# Altium PCB 机器人.PcbDoc (part 6 of 14) (continued)
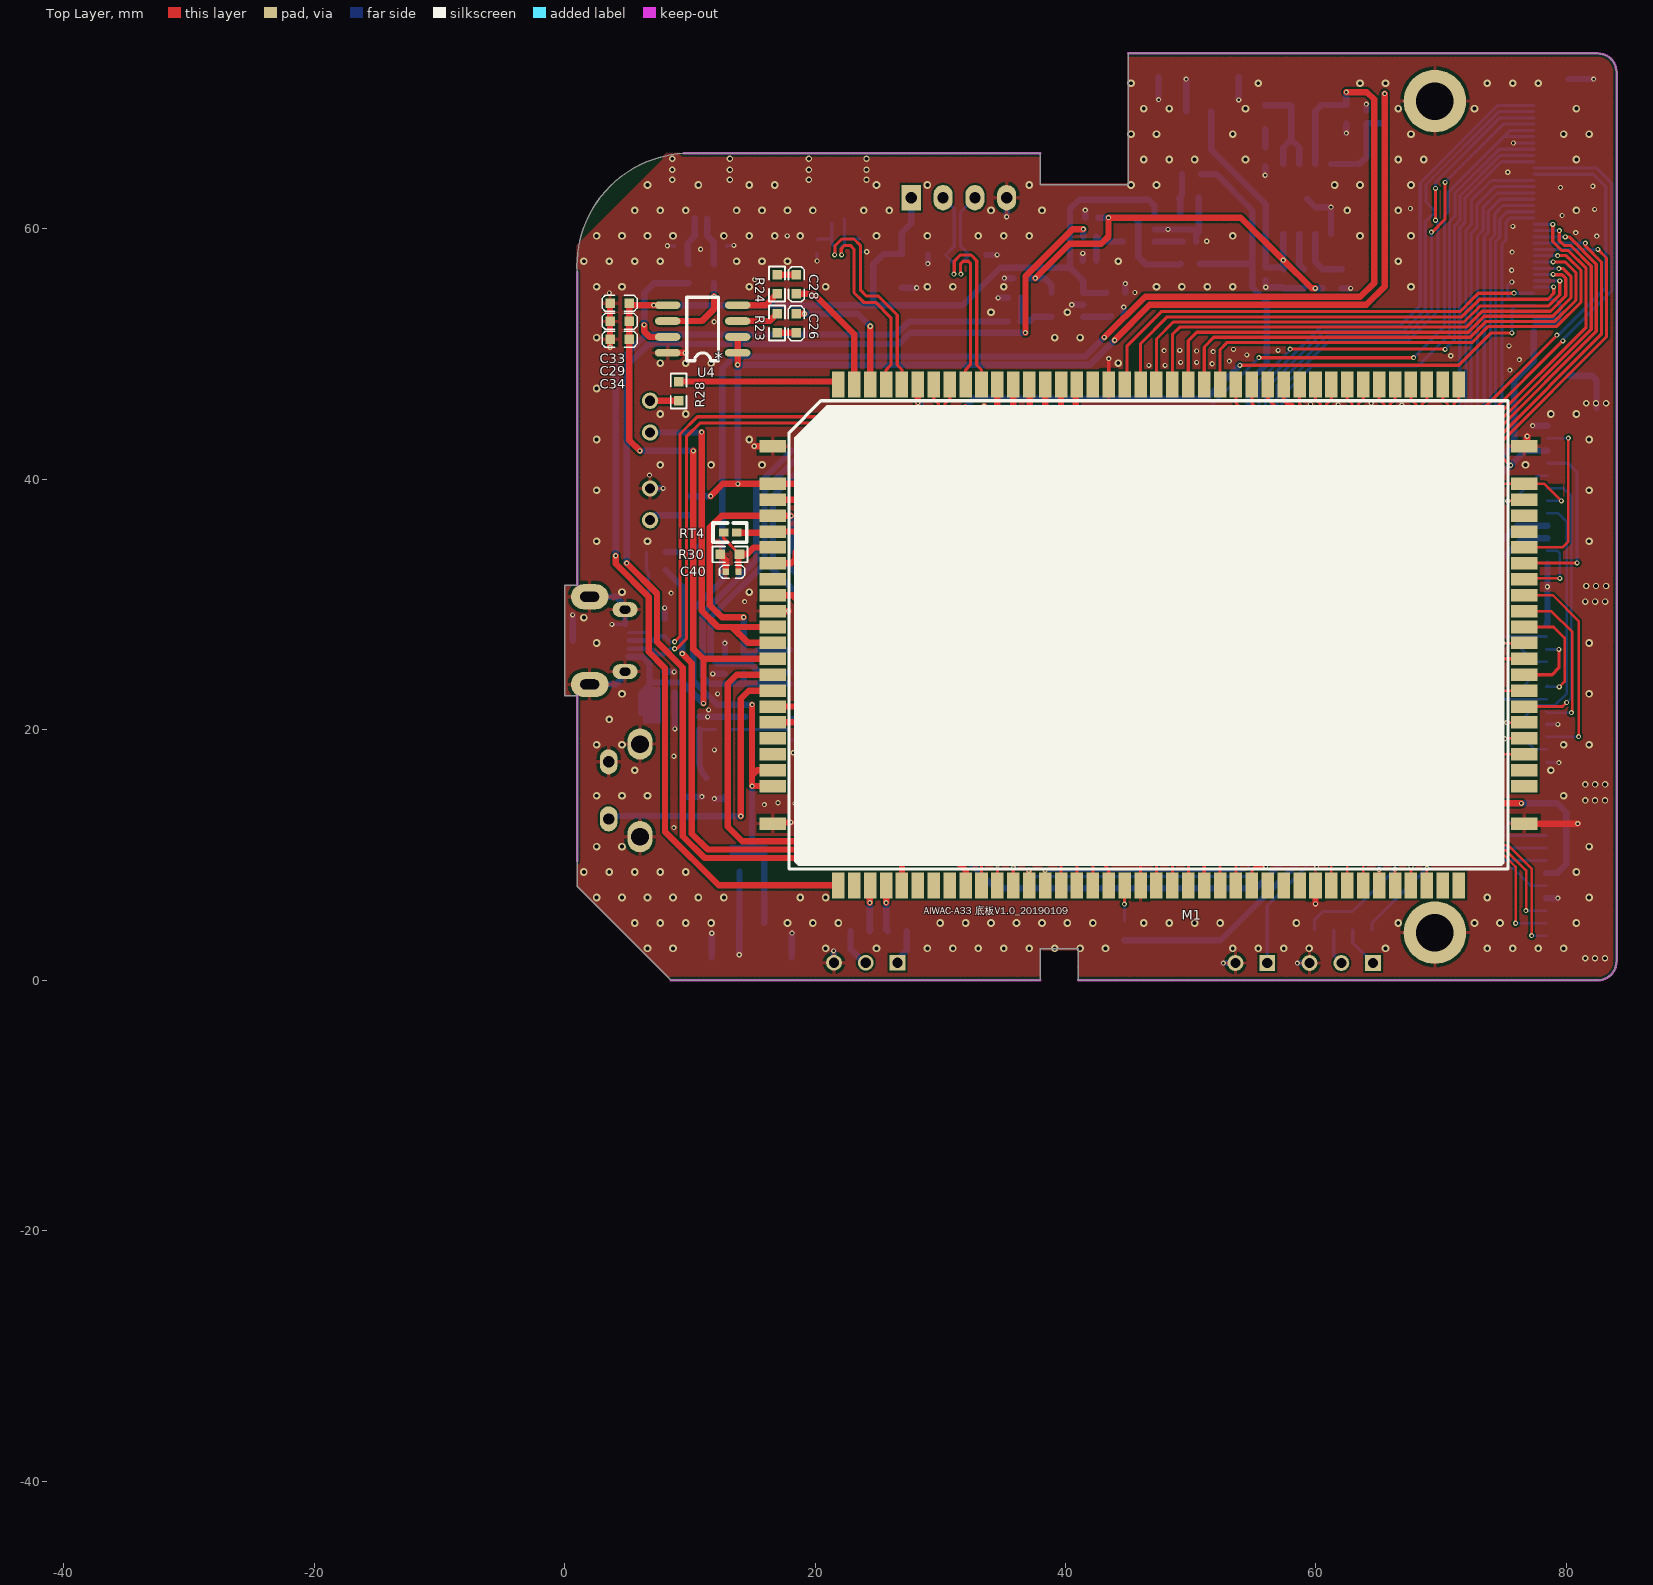
[diagram p0: Top Layer view]
## Free pads (board coordinates) (continued)
1(-39.036,-44.127) 1(-39.036,-44.127) 1(-39.036,-44.127) 1(-39.036,-44.127) 1(-39.036,-44.126) 1(-39.036,-44.126) 1(-39.036,-44.126) 1(-39.036,-44.126) 1(-39.036,-44.126) 1(-39.036,-44.126) 1(-39.036,-44.145) 1(-39.036,-44.145) 1(-39.036,-44.145) 1(-39.036,-44.145) 1(-39.036,-44.145) 1(-39.036,-44.145) 1(-39.036,-44.097) 1(-39.036,-44.097) 1(-39.036,-44.097) 1(-39.036,-44.097) 1(-39.036,-44.097) 1(-39.036,-44.097) 1(-39.036,-44.096) 1(-39.036,-44.096) 1(-39.036,-44.096) 1(-39.036,-44.115) 1(-39.036,-44.115) 1(-39.036,-44.115) 1(-39.036,-44.115) 1(-39.036,-44.115) 1(-39.036,-44.115) 1(-39.036,-44.113) 1(-39.036,-44.113) 1(-39.036,-44.113) 1(-39.036,-44.138) 1(-39.036,-44.138) 1(-39.036,-44.138) 1(-39.036,-44.138) 1(-39.036,-44.138) 1(-39.036,-44.138) 1(-39.036,-44.137) 1(-39.036,-44.137) 1(-39.036,-44.137) 1(-39.036,-44.137) 1(-39.036,-44.137) 1(-39.036,-44.137) 1(-39.036,-44.137) 1(-39.036,-44.137) 1(-39.036,-44.137) 1(-39.036,-44.137) 1(-39.036,-44.137) 1(-39.036,-44.137) 1(-39.036,-44.133) 1(-39.036,-44.133) 1(-39.036,-44.133) 1(-39.036,-44.133) 1(-39.036,-44.133) 1(-39.036,-44.133) 1(-39.036,-44.129) 1(-39.036,-44.129) 1(-39.036,-44.129) 1(-39.036,-44.128) 1(-39.036,-44.128) 1(-39.036,-44.128) 1(-39.036,-44.128) 1(-39.036,-44.128) 1(-39.036,-44.128) 1(-39.036,-44.128) 1(-39.036,-44.128) 1(-39.036,-44.128) 1(-39.036,-44.128) 1(-39.036,-44.128) 1(-39.036,-44.128) 1(-39.036,-44.114) 1(-39.036,-44.114) 1(-39.036,-44.114) 1(-39.036,-44.114) 1(-39.036,-44.114) 1(-39.036,-44.114) 1(-39.036,-44.114) 1(-39.036,-44.114) 1(-39.036,-44.114) 1(-39.036,-44.114) 1(-39.036,-44.114) 1(-39.036,-44.114) 1(-39.036,-44.131) 1(-39.036,-44.131) 1(-39.036,-44.131) 1(-39.036,-44.11) 1(-39.036,-44.11) 1(-39.036,-44.11) 1(-39.036,-44.095) 1(-39.036,-44.095) 1(-39.036,-44.095) 1(-39.036,-44.095) 1(-39.036,-44.095) 1(-39.036,-44.095) 1(-39.036,-44.127) 1(-39.036,-44.127) 1(-39.036,-44.127) 1(-39.036,-44.127) 1(-39.036,-44.127) 1(-39.036,-44.127) 1(-39.035,-44.099) 1(-39.035,-44.099) 1(-39.035,-44.099) 1(-39.035,-44.097) 1(-39.035,-44.097) 1(-39.035,-44.097) 1(-39.035,-44.146) 1(-39.035,-44.146) 1(-39.035,-44.146) 1(-39.035,-44.145) 1(-39.035,-44.145) 1(-39.035,-44.145) 1(-39.035,-44.145) 1(-39.035,-44.145) 1(-39.035,-44.145) 1(-39.035,-44.141) 1(-39.035,-44.141) 1(-39.035,-44.141) 1(-39.035,-44.141) 1(-39.035,-44.141) 1(-39.035,-44.141) 1(-39.035,-44.114) 1(-39.035,-44.114) 1(-39.035,-44.114) 1(-39.035,-44.114) 1(-39.035,-44.114) 1(-39.035,-44.114) 1(-39.035,-44.094) 1(-39.035,-44.094) 1(-39.035,-44.094) 1(-39.035,-44.123) 1(-39.035,-44.123) 1(-39.035,-44.123) 1(-39.035,-44.123) 1(-39.035,-44.123) 1(-39.035,-44.123) 1(-39.035,-44.108) 1(-39.035,-44.108) 1(-39.035,-44.108) 1(-39.035,-44.108) 1(-39.035,-44.108) 1(-39.035,-44.108) 1(-39.035,-44.121) 1(-39.035,-44.121) 1(-39.035,-44.121) 1(-39.035,-44.121) 1(-39.035,-44.121) 1(-39.035,-44.121) 1(-39.035,-44.121) 1(-39.035,-44.121) 1(-39.035,-44.121) 1(-39.035,-44.121) 1(-39.035,-44.121) 1(-39.035,-44.121) 1(-39.035,-44.12) 1(-39.035,-44.12) 1(-39.035,-44.12) 1(-39.035,-44.115) 1(-39.035,-44.115) 1(-39.035,-44.115) 1(-39.035,-44.115) 1(-39.035,-44.115) 1(-39.035,-44.115) 1(-39.035,-44.113) 1(-39.035,-44.113) 1(-39.035,-44.113) 1(-39.035,-44.1) 1(-39.035,-44.1) 1(-39.035,-44.1) 1(-39.035,-44.119) 1(-39.035,-44.119) 1(-39.035,-44.119) 1(-39.035,-44.119) 1(-39.035,-44.119) 1(-39.035,-44.119) 1(-39.035,-44.117) 1(-39.035,-44.117) 1(-39.035,-44.117) 1(-39.035,-44.096) 1(-39.035,-44.096) 1(-39.035,-44.096) 1(-39.035,-44.096) 1(-39.035,-44.096) 1(-39.035,-44.096) 1(-39.035,-44.095) 1(-39.035,-44.095) 1(-39.035,-44.095) 1(-39.035,-44.095) 1(-39.035,-44.095) 1(-39.035,-44.095) 1(-39.035,-44.138) 1(-39.035,-44.138) 1(-39.035,-44.138) 1(-39.035,-44.138) 1(-39.035,-44.138) 1(-39.035,-44.138) 1(-39.035,-44.135) 1(-39.035,-44.135) 1(-39.035,-44.135) 1(-39.035,-44.135) 1(-39.035,-44.135) 1(-39.035,-44.135) 1(-39.035,-44.13) 1(-39.035,-44.13) 1(-39.035,-44.13) 1(-39.035,-44.13) 1(-39.035,-44.13) 1(-39.035,-44.13) 1(-39.035,-44.129) 1(-39.035,-44.129) 1(-39.035,-44.129) 1(-39.035,-44.107) 1(-39.035,-44.107) 1(-39.035,-44.107) 1(-39.035,-44.107) 1(-39.035,-44.107) 1(-39.035,-44.107) 1(-39.035,-44.141) 1(-39.035,-44.141) 1(-39.035,-44.141) 1(-39.035,-44.141) 1(-39.035,-44.141) 1(-39.035,-44.141) 1(-39.035,-44.128) 1(-39.035,-44.128) 1(-39.035,-44.128) 1(-39.035,-44.133) 1(-39.035,-44.133) 1(-39.035,-44.133) 1(-39.035,-44.133) 1(-39.035,-44.133) 1(-39.035,-44.133) 1(-39.035,-44.115) 1(-39.035,-44.115) 1(-39.035,-44.115) 1(-39.035,-44.115) 1(-39.035,-44.115) 1(-39.035,-44.115) 1(-39.035,-44.141) 1(-39.035,-44.141) 1(-39.035,-44.141) 1(-39.035,-44.127) 1(-39.035,-44.127) 1(-39.035,-44.127) 1(-39.035,-44.125) 1(-39.035,-44.125) 1(-39.035,-44.125) 1(-39.035,-44.125) 1(-39.035,-44.125) 1(-39.035,-44.125) 1(-39.035,-44.125) 1(-39.035,-44.125) 1(-39.035,-44.125) 1(-39.035,-44.123) 1(-39.035,-44.123) 1(-39.035,-44.123) 1(-39.035,-44.123) 1(-39.035,-44.123) 1(-39.035,-44.123) 1(-39.035,-44.122) 1(-39.035,-44.122) 1(-39.035,-44.122) 1(-39.035,-44.122) 1(-39.035,-44.122) 1(-39.035,-44.122) 1(-39.035,-44.12) 1(-39.035,-44.12) 1(-39.035,-44.12) 1(-39.035,-44.12) 1(-39.035,-44.12) 1(-39.035,-44.12) 1(-39.035,-44.133) 1(-39.035,-44.133) 1(-39.035,-44.133) 1(-39.035,-44.133) 1(-39.035,-44.133) 1(-39.035,-44.133) 1(-39.035,-44.114) 1(-39.035,-44.114) 1(-39.035,-44.114) 1(-39.035,-44.114) 1(-39.035,-44.114) 1(-39.035,-44.114) 1(-39.035,-44.132) 1(-39.035,-44.132) 1(-39.035,-44.132) 1(-39.035,-44.132) 1(-39.035,-44.132) 1(-39.035,-44.132) 1(-39.035,-44.134) 1(-39.035,-44.134) 1(-39.035,-44.134) 1(-39.035,-44.134) 1(-39.035,-44.134) 1(-39.035,-44.134) 1(-39.035,-44.132) 1(-39.035,-44.132) 1(-39.035,-44.132) 1(-39.035,-44.132) 1(-39.035,-44.132) 1(-39.035,-44.132) 1(-39.035,-44.136) 1(-39.035,-44.136) 1(-39.035,-44.136) 1(-39.035,-44.136) 1(-39.035,-44.136) 1(-39.035,-44.136) 1(-39.035,-44.135) 1(-39.035,-44.135) 1(-39.035,-44.135) 1(-39.035,-44.135) 1(-39.035,-44.135) 1(-39.035,-44.135) 1(-39.035,-44.129) 1(-39.035,-44.129) 1(-39.035,-44.129) 1(-39.035,-44.128) 1(-39.035,-44.128) 1(-39.035,-44.128) 1(-39.035,-44.128) 1(-39.035,-44.128) 1(-39.035,-44.128) 1(-39.035,-44.114) 1(-39.035,-44.114) 1(-39.035,-44.114) 1(-39.035,-44.114) 1(-39.035,-44.114) 1(-39.035,-44.114) 1(-39.035,-44.137) 1(-39.035,-44.137) 1(-39.035,-44.137) 1(-39.035,-44.135) 1(-39.035,-44.135) 1(-39.035,-44.135) 1(-39.035,-44.135) 1(-39.035,-44.135) 1(-39.035,-44.135) 1(-39.035,-44.141) 1(-39.035,-44.141) 1(-39.035,-44.141) 1(-39.035,-44.141) 1(-39.035,-44.141) 1(-39.035,-44.141) 1(-39.035,-44.141) 1(-39.035,-44.141) 1(-39.035,-44.141) 1(-39.035,-44.141) 1(-39.035,-44.141) 1(-39.035,-44.141) 1(-39.035,-44.141) 1(-39.035,-44.141) 1(-39.035,-44.141) 1(-39.035,-44.14) 1(-39.035,-44.14) 1(-39.035,-44.14) 1(-39.035,-44.138) 1(-39.035,-44.138) 1(-39.035,-44.138) 1(-39.035,-44.138) 1(-39.035,-44.138) 1(-39.035,-44.138) 1(-39.034,-44.131) 1(-39.034,-44.131) 1(-39.034,-44.131) 1(-39.034,-44.131) 1(-39.034,-44.131) 1(-39.034,-44.131) 1(-39.034,-44.13) 1(-39.034,-44.13) 1(-39.034,-44.13) 1(-39.034,-44.111) 1(-39.034,-44.111) 1(-39.034,-44.111) 1(-39.034,-44.147) 1(-39.034,-44.147) 1(-39.034,-44.147) 1(-39.034,-44.136) 1(-39.034,-44.136) 1(-39.034,-44.136) 1(-39.034,-44.136) 1(-39.034,-44.136) 1(-39.034,-44.136) 1(-39.034,-44.116) 1(-39.034,-44.116) 1(-39.034,-44.116) 1(-39.034,-44.12) 1(-39.034,-44.12) 1(-39.034,-44.12) 1(-39.034,-44.12) 1(-39.034,-44.12) 1(-39.034,-44.12) 1(-39.034,-44.099) 1(-39.034,-44.099) 1(-39.034,-44.099) 1(-39.034,-44.099) 1(-39.034,-44.099) 1(-39.034,-44.099) 1(-39.034,-44.144) 1(-39.034,-44.144) 1(-39.034,-44.144) 1(-39.034,-44.144) 1(-39.034,-44.144) 1(-39.034,-44.144) 1(-39.034,-44.115) 1(-39.034,-44.115) 1(-39.034,-44.115) 1(-39.034,-44.115) 1(-39.034,-44.115) 1(-39.034,-44.115) 1(-39.034,-44.115) 1(-39.034,-44.115) 1(-39.034,-44.115) 1(-39.034,-44.115) 1(-39.034,-44.115) 1(-39.034,-44.115) 1(-39.034,-44.123) 1(-39.034,-44.123) 1(-39.034,-44.123) 1(-39.034,-44.137) 1(-39.034,-44.137) 1(-39.034,-44.137) 1(-39.034,-44.121) 1(-39.034,-44.121) 1(-39.034,-44.121) 1(-39.034,-44.136) 1(-39.034,-44.136) 1(-39.034,-44.136) 1(-39.034,-44.136) 1(-39.034,-44.136) 1(-39.034,-44.136) 1(-39.034,-44.128) 1(-39.034,-44.128) 1(-39.034,-44.128) 1(-39.034,-44.128) 1(-39.034,-44.128) 1(-39.034,-44.128) 1(-39.034,-44.128) 1(-39.034,-44.128) 1(-39.034,-44.128) 1(-39.034,-44.128) 1(-39.034,-44.128) 1(-39.034,-44.128) 1(-39.034,-44.127) 1(-39.034,-44.127) 1(-39.034,-44.127) 1(-39.034,-44.127) 1(-39.034,-44.127) 1(-39.034,-44.127) 1(-39.034,-44.126) 1(-39.034,-44.126) 1(-39.034,-44.126) 1(-39.034,-44.126) 1(-39.034,-44.126) 1(-39.034,-44.126) 1(-39.034,-44.103) 1(-39.034,-44.103) 1(-39.034,-44.103) 1(-39.034,-44.103) 1(-39.034,-44.103) 1(-39.034,-44.103) 1(-39.034,-44.101) 1(-39.034,-44.101) 1(-39.034,-44.101) 1(-39.034,-44.101) 1(-39.034,-44.101) 1(-39.034,-44.101) 1(-39.034,-44.099) 1(-39.034,-44.099) 1(-39.034,-44.099) 1(-39.034,-44.099) 1(-39.034,-44.099) 1(-39.034,-44.099) 1(-39.034,-44.103) 1(-39.034,-44.103) 1(-39.034,-44.103) 1(-39.034,-44.103) 1(-39.034,-44.103) 1(-39.034,-44.103) 1(-39.034,-44.101) 1(-39.034,-44.101) 1(-39.034,-44.101) 1(-39.034,-44.101) 1(-39.034,-44.101) 1(-39.034,-44.101) 1(-39.034,-44.124) 1(-39.034,-44.124) 1(-39.034,-44.124) 1(-39.034,-44.124) 1(-39.034,-44.124) 1(-39.034,-44.124) 1(-39.033,-44.124) 1(-39.033,-44.124) 1(-39.033,-44.124) 1(-39.033,-44.124) 1(-39.033,-44.124) 1(-39.033,-44.124) 1(-39.033,-44.146) 1(-39.033,-44.146) 1(-39.033,-44.146) 1(-39.033,-44.145) 1(-39.033,-44.145) 1(-39.033,-44.145) 1(-39.033,-44.145) 1(-39.033,-44.145) 1(-39.033,-44.145) 1(-39.033,-44.124) 1(-39.033,-44.124) 1(-39.033,-44.124) 1(-39.033,-44.124) 1(-39.033,-44.124) 1(-39.033,-44.124) 1(-39.033,-44.127) 1(-39.033,-44.127) 1(-39.033,-44.127) 1(-39.033,-44.134) 1(-39.033,-44.134) 1(-39.033,-44.134) 1(-39.033,-44.134) 1(-39.033,-44.134) 1(-39.033,-44.134) 1(-39.033,-44.1) 1(-39.033,-44.1) 1(-39.033,-44.1) 1(-39.033,-44.1) 1(-39.033,-44.1) 1(-39.033,-44.1) 1(-39.033,-44.098) 1(-39.033,-44.098) 1(-39.033,-44.098) 1(-39.033,-44.098) 1(-39.033,-44.098) 1(-39.033,-44.098) 1(-39.033,-44.101) 1(-39.033,-44.101) 1(-39.033,-44.101) 1(-39.033,-44.101) 1(-39.033,-44.101) 1(-39.033,-44.101) 1(-39.033,-44.1) 1(-39.033,-44.1) 1(-39.033,-44.1) 1(-39.033,-44.1) 1(-39.033,-44.1) 1(-39.033,-44.1) 1(-39.033,-44.131) 1(-39.033,-44.131) 1(-39.033,-44.131) 1(-39.033,-44.136) 1(-39.033,-44.136) 1(-39.033,-44.136) 1(-39.033,-44.136) 1(-39.033,-44.136) 1(-39.033,-44.136) 1(-39.033,-44.136) 1(-39.033,-44.136) 1(-39.033,-44.136) 1(-39.033,-44.136) 1(-39.033,-44.136) 1(-39.033,-44.136) 1(-39.033,-44.136) 1(-39.033,-44.136) 1(-39.033,-44.136) 1(-39.033,-44.136) 1(-39.033,-44.136) 1(-39.033,-44.136) 1(-39.033,-44.134) 1(-39.033,-44.134) 1(-39.033,-44.134) 1(-39.033,-44.133) 1(-39.033,-44.133) 1(-39.033,-44.133) 1(-39.033,-44.133) 1(-39.033,-44.133) 1(-39.033,-44.133) 1(-39.033,-44.131) 1(-39.033,-44.131) 1(-39.033,-44.131) 1(-39.033,-44.13) 1(-39.033,-44.13) 1(-39.033,-44.13) 1(-39.033,-44.13) 1(-39.033,-44.13) 1(-39.033,-44.13) 1(-39.033,-44.128) 1(-39.033,-44.128) 1(-39.033,-44.128) 1(-39.033,-44.128) 1(-39.033,-44.128) 1(-39.033,-44.128) 1(-39.033,-44.127) 1(-39.033,-44.127) 1(-39.033,-44.127) 1(-39.033,-44.127) 1(-39.033,-44.127) 1(-39.033,-44.127) 1(-39.033,-44.125) 1(-39.033,-44.125) 1(-39.033,-44.125) 1(-39.033,-44.125) 1(-39.033,-44.125) 1(-39.033,-44.125) 1(-39.033,-44.125) 1(-39.033,-44.125) 1(-39.033,-44.125) 1(-39.033,-44.125) 1(-39.033,-44.125) 1(-39.033,-44.125) 1(-39.033,-44.125) 1(-39.033,-44.125) 1(-39.033,-44.125) 1(-39.033,-44.124) 1(-39.033,-44.124) 1(-39.033,-44.124) 1(-39.033,-44.124) 1(-39.033,-44.124) 1(-39.033,-44.124) 1(-39.033,-44.13) 1(-39.033,-44.13) 1(-39.033,-44.13) 1(-39.033,-44.13) 1(-39.033,-44.13) 1(-39.033,-44.13) 1(-39.033,-44.14) 1(-39.033,-44.14) 1(-39.033,-44.14) 1(-39.033,-44.138) 1(-39.033,-44.138) 1(-39.033,-44.138) 1(-39.033,-44.119) 1(-39.033,-44.119) 1(-39.033,-44.119) 1(-39.033,-44.119) 1(-39.033,-44.119) 1(-39.033,-44.119) 1(-39.033,-44.106) 1(-39.033,-44.106) 1(-39.033,-44.106) 1(-39.033,-44.151) 1(-39.033,-44.151) 1(-39.033,-44.151) 1(-39.033,-44.124) 1(-39.033,-44.124) 1(-39.033,-44.124) 1(-39.033,-44.124) 1(-39.033,-44.124) 1(-39.033,-44.124) 1(-39.033,-44.121) 1(-39.033,-44.121) 1(-39.033,-44.121) 1(-39.033,-44.121) 1(-39.033,-44.121) 1(-39.033,-44.121) 1(-39.033,-44.12) 1(-39.033,-44.12) 1(-39.033,-44.12) 1(-39.033,-44.12) 1(-39.033,-44.12) 1(-39.033,-44.12) 1(-39.033,-44.113) 1(-39.033,-44.113) 1(-39.033,-44.113) 1(-39.033,-44.099) 1(-39.033,-44.099) 1(-39.033,-44.099) 1(-39.033,-44.099) 1(-39.033,-44.099) 1(-39.033,-44.099) 1(-39.033,-44.098) 1(-39.033,-44.098) 1(-39.033,-44.098) 1(-39.033,-44.14) 1(-39.033,-44.14) 1(-39.033,-44.14) 1(-39.033,-44.14) 1(-39.033,-44.14) 1(-39.033,-44.14) 1(-39.033,-44.12) 1(-39.033,-44.12) 1(-39.033,-44.12) 1(-39.033,-44.12) 1(-39.033,-44.12) 1(-39.033,-44.12) 1(-39.033,-44.143) 1(-39.033,-44.143) 1(-39.033,-44.143) 1(-39.033,-44.132) 1(-39.033,-44.132) 1(-39.033,-44.132) 1(-39.033,-44.132) 1(-39.033,-44.132) 1(-39.033,-44.132) 1(-39.033,-44.099) 1(-39.033,-44.099) 1(-39.033,-44.099) 1(-39.033,-44.099) 1(-39.033,-44.099) 1(-39.033,-44.099) 1(-39.032,-44.103) 1(-39.032,-44.103) 1(-39.032,-44.103) 1(-39.032,-44.103) 1(-39.032,-44.103) 1(-39.032,-44.103) 1(-39.032,-44.102) 1(-39.032,-44.102) 1(-39.032,-44.102) 1(-39.032,-44.102) 1(-39.032,-44.102) 1(-39.032,-44.102) 1(-39.032,-44.147) 1(-39.032,-44.147) 1(-39.032,-44.147) 1(-39.032,-44.107) 1(-39.032,-44.107) 1(-39.032,-44.107) 1(-39.032,-44.107) 1(-39.032,-44.107) 1(-39.032,-44.107) 1(-39.032,-44.1) 1(-39.032,-44.1) 1(-39.032,-44.1) 1(-39.032,-44.1) 1(-39.032,-44.1) 1(-39.032,-44.1) 1(-39.032,-44.1) 1(-39.032,-44.1) 1(-39.032,-44.1) 1(-39.032,-44.099) 1(-39.032,-44.099) 1(-39.032,-44.099) 1(-39.032,-44.099) 1(-39.032,-44.099) 1(-39.032,-44.099) 1(-39.032,-44.139) 1(-39.032,-44.139) 1(-39.032,-44.139) 1(-39.032,-44.139) 1(-39.032,-44.139) 1(-39.032,-44.139) 1(-39.032,-44.138) 1(-39.032,-44.138) 1(-39.032,-44.138) 1(-39.032,-44.138) 1(-39.032,-44.138) 1(-39.032,-44.138) 1(-39.032,-44.12) 1(-39.032,-44.12) 1(-39.032,-44.12) 1(-39.032,-44.12) 1(-39.032,-44.12) 1(-39.032,-44.12) 1(-39.032,-44.108) 1(-39.032,-44.108) 1(-39.032,-44.108) 1(-39.032,-44.118) 1(-39.032,-44.118) 1(-39.032,-44.118) 1(-39.032,-44.116) 1(-39.032,-44.116) 1(-39.032,-44.116) 1(-39.032,-44.108) 1(-39.032,-44.108) 1(-39.032,-44.108) 1(-39.032,-44.108) 1(-39.032,-44.108) 1(-39.032,-44.108) 1(-39.032,-44.138) 1(-39.032,-44.138) 1(-39.032,-44.138) 1(-39.032,-44.138) 1(-39.032,-44.138) 1(-39.032,-44.138) 1(-39.032,-44.12) 1(-39.032,-44.12) 1(-39.032,-44.12) 1(-39.032,-44.12) 1(-39.032,-44.12) 1(-39.032,-44.12) 1(-39.032,-44.123) 1(-39.032,-44.123) 1(-39.032,-44.123) 1(-39.032,-44.122) 1(-39.032,-44.122) 1(-39.032,-44.122) 1(-39.032,-44.122) 1(-39.032,-44.122) 1(-39.032,-44.122) 1(-39.032,-44.141) 1(-39.032,-44.141) 1(-39.032,-44.141) 1(-39.032,-44.141) 1(-39.032,-44.141) 1(-39.032,-44.141) 1(-39.032,-44.135) 1(-39.032,-44.135) 1(-39.032,-44.135) 1(-39.032,-44.098) 1(-39.032,-44.098) 1(-39.032,-44.098) 1(-39.032,-44.136) 1(-39.032,-44.136) 1(-39.032,-44.136) 1(-39.032,-44.134) 1(-39.032,-44.134) 1(-39.032,-44.134) 1(-39.032,-44.133) 1(-39.032,-44.133) 1(-39.032,-44.133) 1(-39.032,-44.132) 1(-39.032,-44.132) 1(-39.032,-44.132) 1(-39.032,-44.132) 1(-39.032,-44.132) 1(-39.032,-44.132) 1(-39.032,-44.132) 1(-39.032,-44.132) 1(-39.032,-44.132) 1(-39.032,-44.132) 1(-39.032,-44.132) 1(-39.032,-44.132) 1(-39.032,-44.131) 1(-39.032,-44.131) 1(-39.032,-44.131) 1(-39.032,-44.131) 1(-39.032,-44.131) 1(-39.032,-44.131) 1(-39.032,-44.13) 1(-39.032,-44.13) 1(-39.032,-44.13) 1(-39.032,-44.13) 1(-39.032,-44.13) 1(-39.032,-44.13) 1(-39.032,-44.128) 1(-39.032,-44.128) 1(-39.032,-44.128) 1(-39.032,-44.127) 1(-39.032,-44.127) 1(-39.032,-44.127) 1(-39.032,-44.125) 1(-39.032,-44.125) 1(-39.032,-44.125) 1(-39.032,-44.13) 1(-39.032,-44.13) 1(-39.032,-44.13) 1(-39.032,-44.106) 1(-39.032,-44.106) 1(-39.032,-44.106) 1(-39.032,-44.106) 1(-39.032,-44.106) 1(-39.032,-44.106) 1(-39.032,-44.101) 1(-39.032,-44.101) 1(-39.032,-44.101) 1(-39.032,-44.101) 1(-39.032,-44.101) 1(-39.032,-44.101) 1(-39.032,-44.136) 1(-39.032,-44.136) 1(-39.032,-44.136) 1(-39.032,-44.136) 1(-39.032,-44.136) 1(-39.032,-44.136) 1(-39.032,-44.136) 1(-39.032,-44.136) 1(-39.032,-44.136) 1(-39.032,-44.14) 1(-39.032,-44.14) 1(-39.032,-44.14) 1(-39.032,-44.14) 1(-39.032,-44.14) 1(-39.032,-44.14) 1(-39.032,-44.14) 1(-39.032,-44.14) 1(-39.032,-44.14) 1(-39.032,-44.14) 1(-39.032,-44.14) 1(-39.032,-44.14) 1(-39.032,-44.138) 1(-39.032,-44.138) 1(-39.032,-44.138) 1(-39.032,-44.099) 1(-39.032,-44.099) 1(-39.032,-44.099) 1(-39.032,-44.099) 1(-39.032,-44.099) 1(-39.032,-44.099) 1(-39.032,-44.098) 1(-39.032,-44.098) 1(-39.032,-44.098) 1(-39.032,-44.098) 1(-39.032,-44.098) 1(-39.032,-44.098) 1(-39.032,-44.138) 1(-39.032,-44.138) 1(-39.032,-44.138) 1(-39.032,-44.138) 1(-39.032,-44.138) 1(-39.032,-44.138) 1(-39.032,-44.137) 1(-39.032,-44.137) 1(-39.032,-44.137) 1(-39.032,-44.137) 1(-39.032,-44.137) 1(-39.032,-44.137) 1(-39.032,-44.115) 1(-39.032,-44.115) 1(-39.032,-44.115) 1(-39.031,-44.11) 1(-39.031,-44.11) 1(-39.031,-44.11) 1(-39.031,-44.148) 1(-39.031,-44.148) 1(-39.031,-44.148) 1(-39.031,-44.143) 1(-39.031,-44.143) 1(-39.031,-44.143) 1(-39.031,-44.136) 1(-39.031,-44.136) 1(-39.031,-44.136) 1(-39.031,-44.136) 1(-39.031,-44.136) 1(-39.031,-44.136) 1(-39.031,-44.136) 1(-39.031,-44.136) 1(-39.031,-44.136) 1(-39.031,-44.136) 1(-39.031,-44.136) 1(-39.031,-44.136) 1(-39.031,-44.102) 1(-39.031,-44.102) 1(-39.031,-44.102) 1(-39.031,-44.1) 1(-39.031,-44.1) 1(-39.031,-44.1) 1(-39.031,-44.1) 1(-39.031,-44.1) 1(-39.031,-44.1) 1(-39.031,-44.099) 1(-39.031,-44.099) 1(-39.031,-44.099) 1(-39.031,-44.099) 1(-39.031,-44.099) 1(-39.031,-44.099) 1(-39.031,-44.14) 1(-39.031,-44.14) 1(-39.031,-44.14) 1(-39.031,-44.14) 1(-39.031,-44.14) 1(-39.031,-44.14) 1(-39.031,-44.118) 1(-39.031,-44.118) 1(-39.031,-44.118) 1(-39.031,-44.118) 1(-39.031,-44.118) 1(-39.031,-44.118) 1(-39.031,-44.118) 1(-39.031,-44.118) 1(-39.031,-44.118) 1(-39.031,-44.118) 1(-39.031,-44.118) 1(-39.031,-44.118) 1(-39.031,-44.127) 1(-39.031,-44.127) 1(-39.031,-44.127) 1(-39.031,-44.127) 1(-39.031,-44.127) 1(-39.031,-44.127) 1(-39.031,-44.121) 1(-39.031,-44.121) 1(-39.031,-44.121) 1(-39.031,-44.121) 1(-39.031,-44.121) 1(-39.031,-44.121) 1(-39.031,-44.117) 1(-39.031,-44.117) 1(-39.031,-44.117) 1(-39.031,-44.141) 1(-39.031,-44.141) 1(-39.031,-44.141) 1(-39.031,-44.098) 1(-39.031,-44.098) 1(-39.031,-44.098) 1(-39.031,-44.133) 1(-39.031,-44.133) 1(-39.031,-44.133) 1(-39.031,-44.133) 1(-39.031,-44.133) 1(-39.031,-44.133) 1(-39.031,-44.121) 1(-39.031,-44.121) 1(-39.031,-44.121) 1(-39.031,-44.121) 1(-39.031,-44.121) 1(-39.031,-44.121) 1(-39.031,-44.12) 1(-39.031,-44.12) 1(-39.031,-44.12) 1(-39.031,-44.128) 1(-39.031,-44.128) 1(-39.031,-44.128) 1(-39.031,-44.14) 1(-39.031,-44.14) 1(-39.031,-44.14) 1(-39.031,-44.14) 1(-39.031,-44.14) 1(-39.031,-44.14) 1(-39.031,-44.119) 1(-39.031,-44.119) 1(-39.031,-44.119) 1(-39.031,-44.119) 1(-39.031,-44.119) 1(-39.031,-44.119) 1(-39.031,-44.118) 1(-39.031,-44.118) 1(-39.031,-44.118) 1(-39.031,-44.118) 1(-39.031,-44.118) 1(-39.031,-44.118) 1(-39.031,-44.136) 1(-39.031,-44.136) 1(-39.031,-44.136) 1(-39.031,-44.136) 1(-39.031,-44.136) 1(-39.031,-44.136) 1(-39.031,-44.106) 1(-39.031,-44.106) 1(-39.031,-44.106) 1(-39.031,-44.106) 1(-39.031,-44.106) 1(-39.031,-44.106) 1(-39.031,-44.1) 1(-39.031,-44.1) 1(-39.031,-44.1) 1(-39.031,-44.1) 1(-39.031,-44.1) 1(-39.031,-44.1) 1(-39.03,-44.138) 1(-39.03,-44.138) 1(-39.03,-44.138) 1(-39.03,-44.136) 1(-39.03,-44.136) 1(-39.03,-44.136) 1(-39.03,-44.136) 1(-39.03,-44.136) 1(-39.03,-44.136) 1(-39.03,-44.136) 1(-39.03,-44.136) 1(-39.03,-44.136) 1(-39.03,-44.134) 1(-39.03,-44.134) 1(-39.03,-44.134) 1(-39.03,-44.124) 1(-39.03,-44.124) 1(-39.03,-44.124) 1(-39.03,-44.124) 1(-39.03,-44.124) 1(-39.03,-44.124) 1(-39.03,-44.137) 1(-39.03,-44.137) 1(-39.03,-44.137) 1(-39.03,-44.12) 1(-39.03,-44.12) 1(-39.03,-44.12) 1(-39.03,-44.12) 1(-39.03,-44.12) 1(-39.03,-44.12) 1(-39.03,-44.118) 1(-39.03,-44.118) 1(-39.03,-44.118) 1(-39.03,-44.118) 1(-39.03,-44.118) 1(-39.03,-44.118) 1(-39.03,-44.1) 1(-39.03,-44.1) 1(-39.03,-44.1) 1(-39.03,-44.1) 1(-39.03,-44.1) 1(-39.03,-44.1) 1(-39.03,-44.14) 1(-39.03,-44.14) 1(-39.03,-44.14) 1(-39.03,-44.116) 1(-39.03,-44.116) 1(-39.03,-44.116) 1(-39.03,-44.102) 1(-39.03,-44.102) 1(-39.03,-44.102) 1(-39.03,-44.103) 1(-39.03,-44.103) 1(-39.03,-44.103) 1(-39.03,-44.103) 1(-39.03,-44.103) 1(-39.03,-44.103) 1(-39.03,-44.1) 1(-39.03,-44.1) 1(-39.03,-44.1) 1(-39.03,-44.1) 1(-39.03,-44.1) 1(-39.03,-44.1) 1(-39.03,-44.1) 1(-39.03,-44.1) 1(-39.03,-44.1) 1(-39.03,-44.1) 1(-39.03,-44.1) 1(-39.03,-44.1) 1(-39.03,-44.117) 1(-39.03,-44.117) 1(-39.03,-44.117) 1(-39.03,-44.117) 1(-39.03,-44.117) 1(-39.03,-44.117) 1(-39.03,-44.11) 1(-39.03,-44.11) 1(-39.03,-44.11) 1(-39.03,-44.117) 1(-39.03,-44.117) 1(-39.03,-44.117) 1(-39.03,-44.117) 1(-39.03,-44.117) 1(-39.03,-44.117) 1(-39.03,-44.107) 1(-39.03,-44.107) 1(-39.03,-44.107) 1(-39.03,-44.106) 1(-39.03,-44.106) 1(-39.03,-44.106) 1(-39.03,-44.133) 1(-39.03,-44.133) 1(-39.03,-44.133) 1(-39.03,-44.133) 1(-39.03,-44.133) 1(-39.03,-44.133) 1(-39.03,-44.127) 1(-39.03,-44.127) 1(-39.03,-44.127) 1(-39.03,-44.127) 1(-39.03,-44.127) 1(-39.03,-44.127) 1(-39.03,-44.142) 1(-39.03,-44.142) 1(-39.03,-44.142) 1(-39.03,-44.124) 1(-39.03,-44.124) 1(-39.03,-44.124) 1(-39.03,-44.097) 1(-39.03,-44.097) 1(-39.03,-44.097) 1(-39.03,-44.139) 1(-39.03,-44.139) 1(-39.03,-44.139) 1(-39.03,-44.123) 1(-39.03,-44.123) 1(-39.03,-44.123) 1(-39.03,-44.123) 1(-39.03,-44.123) 1(-39.03,-44.123) 1(-39.03,-44.118) 1(-39.03,-44.118) 1(-39.03,-44.118) 1(-39.03,-44.118) 1(-39.03,-44.118) 1(-39.03,-44.118) 1(-39.03,-44.125) 1(-39.03,-44.125) 1(-39.03,-44.125) 1(-39.029,-44.138) 1(-39.029,-44.138) 1(-39.029,-44.138) 1(-39.029,-44.138) 1(-39.029,-44.138) 1(-39.029,-44.138) 1(-39.029,-44.134) 1(-39.029,-44.134) 1(-39.029,-44.134) 1(-39.029,-44.134) 1(-39.029,-44.134) 1(-39.029,-44.134) 1(-39.029,-44.113) 1(-39.029,-44.113) 1(-39.029,-44.113) 1(-39.029,-44.103) 1(-39.029,-44.103) 1(-39.029,-44.103) 1(-39.029,-44.103) 1(-39.029,-44.103) 1(-39.029,-44.103) 1(-39.029,-44.102) 1(-39.029,-44.102) 1(-39.029,-44.102) 1(-39.029,-44.102) 1(-39.029,-44.102) 1(-39.029,-44.102) 1(-39.029,-44.115) 1(-39.029,-44.115) 1(-39.029,-44.115) 1(-39.029,-44.131) 1(-39.029,-44.131) 1(-39.029,-44.131) 1(-39.029,-44.13) 1(-39.029,-44.13) 1(-39.029,-44.13) 1(-39.029,-44.13) 1(-39.029,-44.13) 1(-39.029,-44.13) 1(-39.029,-44.127) 1(-39.029,-44.127) 1(-39.029,-44.127) 1(-39.029,-44.127) 1(-39.029,-44.127) 1(-39.029,-44.127) 1(-39.029,-44.133) 1(-39.029,-44.133) 1(-39.029,-44.133) 1(-39.029,-44.142) 1(-39.029,-44.142) 1(-39.029,-44.142) 1(-39.029,-44.142) 1(-39.029,-44.142) 1(-39.029,-44.142) 1(-39.029,-44.136) 1(-39.029,-44.136) 1(-39.029,-44.136) 1(-39.029,-44.136) 1(-39.029,-44.136) 1(-39.029,-44.136) 1(-39.029,-44.124) 1(-39.029,-44.124) 1(-39.029,-44.124) 1(-39.029,-44.115) 1(-39.029,-44.115) 1(-39.029,-44.115) 1(-39.029,-44.115) 1(-39.029,-44.115) 1(-39.029,-44.115) 1(-39.029,-44.101) 1(-39.029,-44.101) 1(-39.029,-44.101) 1(-39.029,-44.101) 1(-39.029,-44.101) 1(-39.029,-44.101) 1(-39.029,-44.101) 1(-39.029,-44.101) 1(-39.029,-44.101) 1(-39.029,-44.132) 1(-39.029,-44.132) 1(-39.029,-44.132) 1(-39.029,-44.132) 1(-39.029,-44.132) 1(-39.029,-44.132) 1(-39.029,-44.129) 1(-39.029,-44.129) 1(-39.029,-44.129) 1(-39.029,-44.129) 1(-39.029,-44.129) 1(-39.029,-44.129) 1(-39.029,-44.097) 1(-39.029,-44.097) 1(-39.029,-44.097) 1(-39.029,-44.129) 1(-39.029,-44.129) 1(-39.029,-44.129) 1(-39.029,-44.129) 1(-39.029,-44.129) 1(-39.029,-44.129) 1(-39.029,-44.122) 1(-39.029,-44.122) 1(-39.029,-44.122) 1(-39.029,-44.122) 1(-39.029,-44.122) 1(-39.029,-44.122) 1(-39.029,-44.103) 1(-39.029,-44.103) 1(-39.029,-44.103) 1(-39.029,-44.103) 1(-39.029,-44.103) 1(-39.029,-44.103) 1(-39.029,-44.102) 1(-39.029,-44.102) 1(-39.029,-44.102) 1(-39.029,-44.101) 1(-39.029,-44.101) 1(-39.029,-44.101) 1(-39.029,-44.122) 1(-39.029,-44.122) 1(-39.029,-44.122) 1(-39.029,-44.122) 1(-39.029,-44.122) 1(-39.029,-44.122) 1(-39.029,-44.121) 1(-39.029,-44.121) 1(-39.029,-44.121) 1(-39.029,-44.13) 1(-39.029,-44.13) 1(-39.029,-44.13) 1(-39.029,-44.13) 1(-39.029,-44.13) 1(-39.029,-44.13) 1(-39.029,-44.132) 1(-39.029,-44.132) 1(-39.029,-44.132) 1(-39.029,-44.132) 1(-39.029,-44.132) 1(-39.029,-44.132) 1(-39.029,-44.136) 1(-39.029,-44.136) 1(-39.029,-44.136) 1(-39.029,-44.136) 1(-39.029,-44.136) 1(-39.029,-44.136) 1(-39.029,-44.119) 1(-39.029,-44.119) 1(-39.029,-44.119) 1(-39.028,-44.127) 1(-39.028,-44.127) 1(-39.028,-44.127) 1(-39.028,-44.118) 1(-39.028,-44.118) 1(-39.028,-44.118) 1(-39.028,-44.14) 1(-39.028,-44.14) 1(-39.028,-44.14) 1(-39.028,-44.14) 1(-39.028,-44.14) 1(-39.028,-44.14) 1(-39.028,-44.114) 1(-39.028,-44.114) 1(-39.028,-44.114) 1(-39.028,-44.114) 1(-39.028,-44.114) 1(-39.028,-44.114) 1(-39.028,-44.135) 1(-39.028,-44.135) 1(-39.028,-44.135) 1(-39.028,-44.114) 1(-39.028,-44.114) 1(-39.028,-44.114) 1(-39.028,-44.114) 1(-39.028,-44.114) 1(-39.028,-44.114) 1(-39.028,-44.139) 1(-39.028,-44.139) 1(-39.028,-44.139) 1(-39.028,-44.139) 1(-39.028,-44.139) 1(-39.028,-44.139) 1(-39.028,-44.138) 1(-39.028,-44.138) 1(-39.028,-44.138) 1(-39.028,-44.132) 1(-39.028,-44.132) 1(-39.028,-44.132) 1(-39.028,-44.13) 1(-39.028,-44.13) 1(-39.028,-44.13) 1(-39.028,-44.129) 1(-39.028,-44.129) 1(-39.028,-44.129) 1(-39.028,-44.127) 1(-39.028,-44.127) 1(-39.028,-44.127) 1(-39.028,-44.127) 1(-39.028,-44.127) 1(-39.028,-44.127) 1(-39.028,-44.126) 1(-39.028,-44.126) 1(-39.028,-44.126) 1(-39.028,-44.126) 1(-39.028,-44.126) 1(-39.028,-44.126) 1(-39.028,-44.127) 1(-39.028,-44.127) 1(-39.028,-44.127) 1(-39.028,-44.124) 1(-39.028,-44.124) 1(-39.028,-44.124) 1(-39.028,-44.124) 1(-39.028,-44.124) 1(-39.028,-44.124) 1(-39.028,-44.123) 1(-39.028,-44.123) 1(-39.028,-44.123) 1(-39.028,-44.123) 1(-39.028,-44.123) 1(-39.028,-44.123) 1(-39.028,-44.117) 1(-39.028,-44.117) 1(-39.028,-44.117) 1(-39.028,-44.117) 1(-39.028,-44.117) 1(-39.028,-44.117) 1(-39.027,-44.107) 1(-39.027,-44.107) 1(-39.027,-44.107) 1(-39.027,-44.102) 1(-39.027,-44.102) 1(-39.027,-44.102) 1(-39.027,-44.101) 1(-39.027,-44.101) 1(-39.027,-44.101) 1(-39.027,-44.101) 1(-39.027,-44.101) 1(-39.027,-44.101) 1(-39.027,-44.1) 1(-39.027,-44.1) 1(-39.027,-44.1) 1(-39.027,-44.102) 1(-39.027,-44.102) 1(-39.027,-44.102) 1(-39.027,-44.14) 1(-39.027,-44.14) 1(-39.027,-44.14) 1(-39.027,-44.101) 1(-39.027,-44.101) 1(-39.027,-44.101) 1(-39.027,-44.101) 1(-39.027,-44.101) 1(-39.027,-44.101) 1(-39.027,-44.138) 1(-39.027,-44.138) 1(-39.027,-44.138) 1(-39.027,-44.102) 1(-39.027,-44.102) 1(-39.027,-44.102) 1(-39.027,-44.121) 1(-39.027,-44.121) 1(-39.027,-44.121) 1(-39.027,-44.117) 1(-39.027,-44.117) 1(-39.027,-44.117) 1(-39.027,-44.142) 1(-39.027,-44.142) 1(-39.027,-44.142) 1(-39.027,-44.096) 1(-39.027,-44.096) 1(-39.027,-44.096) 1(-39.027,-44.151) 1(-39.027,-44.151) 1(-39.027,-44.151) 1(-39.027,-44.126) 1(-39.027,-44.126) 1(-39.027,-44.126) 1(-39.026,-44.146) 1(-39.026,-44.146) 1(-39.026,-44.146) 1(-39.026,-44.145) 1(-39.026,-44.145) 1(-39.026,-44.145) 1(-39.026,-44.145) 1(-39.026,-44.145) 1(-39.026,-44.145) 1(-39.026,-44.138) 1(-39.026,-44.138) 1(-39.026,-44.138) 1(-39.026,-44.138) 1(-39.026,-44.138) 1(-39.026,-44.138) 1(-39.026,-44.137) 1(-39.026,-44.137) 1(-39.026,-44.137) 1(-39.026,-44.137) 1(-39.026,-44.137) 1(-39.026,-44.137) 1(-39.026,-44.133) 1(-39.026,-44.133) 1(-39.026,-44.133) 1(-39.026,-44.132) 1(-39.026,-44.132) 1(-39.026,-44.132) 1(-39.026,-44.132) 1(-39.026,-44.132) 1(-39.026,-44.132) 1(-39.026,-44.13) 1(-39.026,-44.13) 1(-39.026,-44.13) 1(-39.026,-44.129) 1(-39.026,-44.129) 1(-39.026,-44.129) 1(-39.026,-44.129) 1(-39.026,-44.129) 1(-39.026,-44.129) 1(-39.026,-44.127) 1(-39.026,-44.127) 1(-39.026,-44.127) 1(-39.026,-44.127) 1(-39.026,-44.127) 1(-39.026,-44.127) 1(-39.026,-44.127) 1(-39.026,-44.127) 1(-39.026,-44.127) 1(-39.026,-44.102)